# KiCad board smps_legged_robot.kicad_pcb (continued)
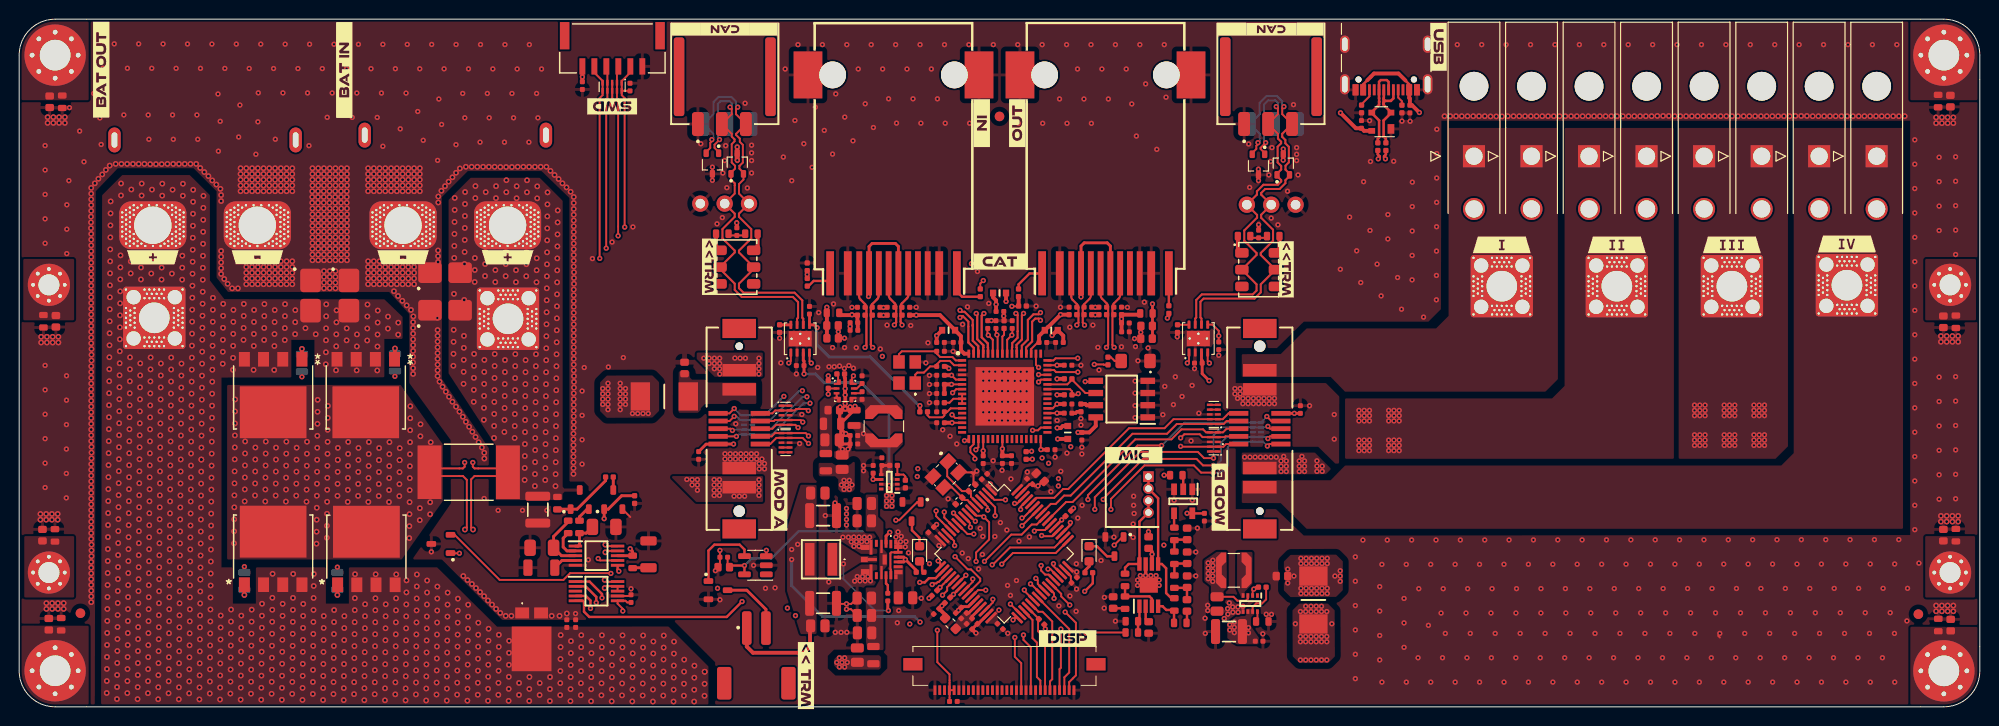
[diagram p0: board, top side]
## Routing (per net, layer and track width the routed paths; a pad name or vN(x,y) marks a point on that pad's centre or on a via; arc(x,y) is an arc through that point) (continued)
VBUS: length 95.4
  L1 (Sig, PWR) w0.25: J403.A4 144.99,64.9 144.59,65.3 144.59,65.31 ; 140.62,65.34 140.62,65.33 140.19,64.9 J403.A9
  L1 (Sig, PWR) w0.3: 141.11,60.09 D401.4 ; U801.6 v2(89.07,23.71) 89.06,23.72 89.06,24.33 ; 140.01,60.33 C403.1
  L1 (Sig, PWR) w0.4: 144.59,65.31 143.87,66.03 141.31,66.03 140.62,65.34 ; v2(146.04,61.97) 145.28,62.73 C417.1 145.05,63.42 144.99,63.48 J403.A4 ; v2(137.81,61.94) 139.42,60.33 C403.1 140.27,60.06 D401.4
  L3 (Sig, PWR) w0.3: v2(146.04,61.97) 146.03,61.96
  L3 (Sig, PWR) w0.4: v2(146.04,61.97) 145.98,61.91 115.03,61.91 v2(99.33,46.2)
  L4 (Sig, PWR) w0.3: v2(146.04,61.97) 146.06,61.95
  L4 (Sig, PWR) w0.4: v2(89.07,23.71) 96.12,30.76 96.12,37.46 97.06,38.41 97.06,43.94 v2(99.33,46.2)
/Project Architecture/Connectors - Communication/FDCAN1_N: length 46.5
  L1 (Sig, PWR) w0.2: 132.5,55.34 D1102.2 132.5,55.59 ; 132.77,60.77 131.74,61.8 131.74,62.41 v2(131.92,62.58) ; v2(129.21,58.83) 129.21,58.66 129.03,58.49 129.03,58.17 128.61,57.74 D1103.2 128.61,57.49 ; 130.54,52.35 130.59,52.35 ; 131.03,45.38 SW1101.5 131.03,45.78
  L1 (Sig, PWR) w0.213: 132.77,60.77 131.74,59.75 131.74,59.43 132.07,59.1 132.07,58.76 132.43,58.39 132.43,56.77 132.08,56.42 132.08,56.01 132.5,55.59 ; 132.5,55.34 132.07,54.91 132.07,54.6 131.47,53.99 129.96,53.99 129.54,53.57 129.54,53.41 J1110.2 129.54,51.31 129.54,50.99 130.78,49.75 130.78,48.6 129.5,47.32 129.5,47.11 SW1101.5 129.5,44.05 129.5,43.22 128.85,42.56 123.54,42.56 123.21,42.24 123.21,40.59 123.31,40.49 U1102.6
  L6 (Sig, PWR) w0.2: v2(131.92,62.58) 131.74,62.76 131.74,63.13 131.19,63.68 130.09,63.68 129.39,62.97 129.39,61.8 J1105.3 ; 128.36,61.41 J1105.3 ; J1105.3 129.39,59.75 129.38,59 v2(129.21,58.83)
/Project Architecture/Connectors - Communication/FDCAN1_P: length 45.2
  L1 (Sig, PWR) w0.2: v2(130.01,58.83) 130.01,58.81 129.49,58.29 129.49,58.17 129.91,57.74 D1103.1 129.91,57.49 ; 127.53,45.78 SW1101.2 127.53,45.41 ; v2(131.12,62.58) 131.29,62.41 131.29,61.8 130.27,60.77 ; 131.2,55.59 D1102.1 131.2,55.34
  L1 (Sig, PWR) w0.213: U1102.7 122.67,40.49 122.77,40.59 122.77,42.42 123.35,43.01 128.66,43.01 129.06,43.4 129.06,44.05 SW1101.2 129.06,47.11 129.06,47.32 127.78,48.6 127.78,49.67 129.12,51 129.12,51.29 J1110.3 129.1,53.41 129.1,53.75 129.78,54.43 131.28,54.43 131.63,54.78 131.63,54.91 131.2,55.34 ; 131.2,55.59 131.63,56.02 131.63,56.39 131.26,56.76 131.26,58.4 131.62,58.76 131.62,58.92 131.29,59.25 131.29,59.75 130.27,60.77
  L6 (Sig, PWR) w0.2: v2(130.01,58.83) 129.84,59 129.84,59.75 J1105.2 ; J1105.2 130.86,61.41 ; J1105.2 129.84,61.8 129.84,62.8 130.26,63.23 131,63.23 131.29,62.95 131.29,62.76 v2(131.12,62.58)
/Project Architecture/Connectors - Communication/FDCAN1_RX: length 28.8
  L1 (Sig, PWR) w0.2: U1102.4 123.97,36.02 v2(124.14,35.84) ; U401.61 104.45,20.86 v2(104.45,20.57)
  L3 (Sig, PWR) w0.2: v2(108.39,23.03) 111,23.03 122.36,34.39 123.28,34.39 124.14,35.25 v2(124.14,35.84)
  L4 (Sig, PWR) w0.2: v2(108.39,23.03) 107.31,23.03 106.5,22.22 106.06,22.22 104.45,20.6 v2(104.45,20.57)
/Project Architecture/Connectors - Communication/FDCAN1_S: length 1.2
  L1 (Sig, PWR) w0.2: R1102.1 122,39.83 U1102.8
/Project Architecture/Connectors - Communication/FDCAN1_TX: length 27.3
  L1 (Sig, PWR) w0.2: v2(103.83,21.21) 104.1,21.21 U401.62 ; U1102.1 122.02,36.03 v2(121.84,35.85)
  L3 (Sig, PWR) w0.2: v2(121.84,35.85) 121.84,34.8 110.83,23.79 v2(108.4,23.79)
  L4 (Sig, PWR) w0.2: v2(103.83,21.21) 103.83,21.43 106.19,23.79 v2(108.4,23.79)
/Project Architecture/Connectors - Communication/FDCAN2_N: length 44.4
  L1 (Sig, PWR) w0.2: 75.54,55.45 D1105.2 ; D1105.2 75.54,54.97 75.09,54.52 75.09,54.22 75.08,54.21 75.08,53.51 J1109.3 ; D1105.2 75.54,55.7 75.12,56.12 75.12,56.41 75.14,56.41 75.48,56.75 75.48,58.6 75.16,58.91 75.16,59.25 74.77,59.64 74.77,59.74 J1103.3 74.77,61.79 74.77,62.35 v2(74.94,62.53) ; 76.57,45.85 SW1103.5 76.6,45.65 ; 71.65,57.6 D1104.2 71.65,57.85 72.08,58.28 72.08,58.81 72.24,58.98 v2(72.24,59.14)
  L1 (Sig, PWR) w0.213: 76.6,45.65 75.08,44.12 75.08,43.65 75.55,43.18 80.88,43.18 81.68,42.38 81.68,40.57 81.78,40.47 U1101.6 ; SW1103.5 75.08,47.38 75.08,47.57 76.08,48.57 76.08,48.57 76.36,48.85 76.36,49.81 75.08,51.09 75.08,51.42 J1109.3
  L6 (Sig, PWR) w0.2: v2(74.94,62.53) 74.77,62.7 74.77,63.1 74.28,63.6 72.96,63.6 72.42,63.05 72.42,61.8 J1102.3 72.42,59.75 72.42,59.32 v2(72.24,59.14) ; 71.36,60.05 71.36,60.68
/Project Architecture/Connectors - Communication/FDCAN2_P: length 42.9
  L1 (Sig, PWR) w0.2: J1109.2 74.63,53.51 74.63,54.38 74.64,54.39 74.64,54.58 74.24,54.97 D1105.1 ; v2(73.04,59.14) 73.04,59.13 72.53,58.61 72.53,58.28 72.95,57.85 D1104.1 72.95,57.6 ; 73.11,45.85 SW1103.2 73.1,45.65 ; D1105.1 74.24,55.45 ; D1105.1 74.24,55.7 74.67,56.12 74.67,56.41 74.67,56.41 74.32,56.76 74.32,58.68 74.61,58.97 74.61,59.17 74.32,59.47 74.32,59.74 J1103.2 74.32,61.79 74.32,62.35 v2(74.14,62.53)
  L1 (Sig, PWR) w0.213: SW1103.2 74.63,47.38 74.63,47.57 73.63,48.57 73.63,48.57 73.35,48.85 73.35,49.81 74.63,51.09 74.63,51.42 J1109.2 ; U1101.7 81.14,40.47 81.24,40.57 81.24,42.19 80.69,42.74 75.36,42.74 74.63,43.47 74.63,44.12 73.1,45.65
  L6 (Sig, PWR) w0.2: 73.86,60.05 73.86,60.68 ; v2(74.14,62.53) 74.32,62.7 74.32,62.92 74.09,63.15 73.15,63.15 72.87,62.87 72.87,61.8 J1102.2 72.87,59.75 72.87,59.32 v2(73.04,59.14)
/Project Architecture/Connectors - Communication/FDCAN2_RX: length 33.3
  L1 (Sig, PWR) w0.2: v2(82.62,35.84) 82.44,36.03 U1101.4 ; v2(104.6,18.88) U401.58
  L3 (Sig, PWR) w0.2: v2(82.62,35.84) 83.02,36.23 87.18,36.23 97.53,25.88 97.53,25 103.65,18.88 v2(104.6,18.88)
/Project Architecture/Connectors - Communication/FDCAN2_S: length 1.2
  L1 (Sig, PWR) w0.3: R1101.1 79.32,39.83 U1101.8
/Project Architecture/Connectors - Communication/FDCAN2_TX: length 35.4
  L1 (Sig, PWR) w0.2: v2(80.27,35.85) 80.49,36.06 U1101.1 ; v2(104.59,19.69) 104.7,19.69 U401.59
  L3 (Sig, PWR) w0.2: v2(80.27,35.85) 81.23,36.81 87.54,36.81 98.31,26.05 98.32,26.05 98.32,25.33 103.96,19.69 v2(104.59,19.69)
  L4 (Sig, PWR) w0.2: v2(80.27,35.85) 80.42,35.7
/Project Architecture/Connectors - Communication/IRQ: length 20.1
  L1 (Sig, PWR) w0.2: v2(105.6,26.65) 105.06,26.65 R1114.1 ; IC1101.44 106.58,34.12 v2(106.32,33.87) ; v2(99.73,19.35) 99.7,19.35 U401.8
  L4 (Sig, PWR) w0.2: v2(106.32,33.87) 106.32,27.39 105.6,26.67 v2(105.6,26.65) 105.52,26.65 101.86,22.99 101.86,22.99 101.53,22.65 101.52,22.65 99.73,20.86 v2(99.73,19.35)
/Project Architecture/Connectors - Communication/LED_CAT1: length 31.3
  L1 (Sig, PWR) w0.2: v2(102.87,21.58) 101.71,21.58 U401.2
  L1 (Sig, PWR) w0.3: R1131.2 119.92,40.69 v2(119.76,40.53)
  L3 (Sig, PWR) w0.25: v2(107.37,25.39) 111.18,25.39 115.7,29.92 115.7,35.95 117.07,37.32 117.07,37.84 v2(119.76,40.53)
  L4 (Sig, PWR) w0.2: 106.97,25.39 106.98,25.39 ; 105.4,23.81 105.4,23.82
  L4 (Sig, PWR) w0.25: 106.98,25.39 v2(107.37,25.39) ; v2(102.87,21.58) 102.95,21.58 105.18,23.81 105.4,23.81 ; 105.4,23.82 106.97,25.39
/Project Architecture/Connectors - Communication/LED_CAT2: length 39.2
  L1 (Sig, PWR) w0.2: R1133.2 100.25,44.14 v2(100.56,44.45) ; v2(101.79,19.92) 101.79,20.8 100.68,21.92 U401.3
  L3 (Sig, PWR) w0.25: v2(106.7,25.95) 107.12,25.95 107.45,26.28 107.45,26.29 107.8,26.64 107.81,26.64 108.29,27.12 v2(109.68,27.12)
  L4 (Sig, PWR) w0.2: 103.55,23 103.56,23 ; 106.56,25.82 v2(106.7,25.95)
  L4 (Sig, PWR) w0.25: v2(109.68,27.12) 109.68,35.24 105.47,39.45 105.47,43.43 104.45,44.45 v2(100.56,44.45) ; 103.56,23 104.22,23.66 104.22,24.4 104.98,25.16 105.9,25.16 106.56,25.82 ; v2(101.8,19.92) 101.8,21.69 103.12,23 103.55,23
/Project Architecture/Connectors - Communication/LED_ON1: length 15.4
  L1 (Sig, PWR) w0.2: 110.43,36.34 110.42,36.34 v2(110.41,36.35) 110.4,36.34 108.1,36.34 107.88,36.12 ; R1135.2 104.22,41.76 v2(103.54,41.76) ; 107.25,36.12 107.87,36.12
  L1 (Sig, PWR) w0.4: R1135.2 104.25,42.74
  L3 (Sig, PWR) w0.2: 110.43,36.34 106.87,36.34 103.38,39.83 103.38,41.6 v2(103.54,41.76)
/Project Architecture/Connectors - Communication/LED_ON2: length 40.2
  L1 (Sig, PWR) w0.2: 110.42,34.9 v2(110.42,34.9) 108.16,34.9 107.94,35.12 IC1101.46
  L1 (Sig, PWR) w0.3: R1134.2 82.2,45.08 v2(82.2,45.08) 82.2,45.08 82.2,45.47 R1136.2
  L3 (Sig, PWR) w0.2: v2(110.42,34.9) 107.62,34.9 107.11,35.42 107.11,35.42 106.06,36.47 90.11,36.47 v2(90.03,36.55)
  L4 (Sig, PWR) w0.2: v2(90.03,36.55) 90.53,37.04 90.53,37.83 88.06,40.3 83.19,40.3 82.2,41.29 v2(82.2,45.08)
/Project Architecture/Connectors - Communication/RXA_N: length 26.5
  L1 (Sig, PWR) w0.2: IC1101.54 104.05,37.09 104.03,37.12 ; v2(114.21,37.47) 114.21,37.48 arc(114.25,37.55) 114.27,37.62 ; 104.69,40.95 v2(104.76,41.02)
  L1 (Sig, PWR) w0.216: v2(114.21,37.47) 114.09,37.59 arc(114.04,37.66) 114.03,37.73 114.03,41.7 arc(114.07,41.89) 114.18,42.06 114.69,42.57 arc(114.8,42.73) 114.84,42.92 J1107.8 ; v2(104.76,41.02) 104.58,40.84 104.58,38.3 104.02,37.74 104.02,37.48 104.05,37.46 IC1101.54
  L3 (Sig, PWR) w0.2: v2(104.76,41.02) 104.67,40.93 ; 114.12,37.56 v2(114.21,37.47)
  L3 (Sig, PWR) w0.204: v2(104.76,41.02) 104.67,40.93 104.67,40.72 arc(104.7,40.53) 104.81,40.37 107.43,37.75 arc(107.59,37.64) 107.78,37.61 110.44,37.61 arc(110.63,37.64) 110.79,37.75 112.1,39.06 arc(112.26,39.17) 112.45,39.21 113.13,39.21 arc(113.33,39.17) 113.49,39.06 113.97,38.58 arc(114.07,38.42) 114.11,38.23 114.11,37.57 v2(114.21,37.47)
/Project Architecture/Connectors - Communication/RXA_P: length 26.5
  L1 (Sig, PWR) w0.2: v2(113.41,37.47) 113.39,37.49 arc(113.35,37.56) 113.33,37.63 ; IC1101.55 103.55,37.09 103.58,37.12 ; 104.08,40.9 v2(103.96,41.02)
  L1 (Sig, PWR) w0.216: IC1101.55 103.55,37.46 103.58,37.48 103.58,37.92 104.14,38.48 104.14,39.14 104.14,39.15 104.14,40.84 v2(103.96,41.02) ; v2(113.41,37.47) 113.52,37.59 arc(113.57,37.66) 113.58,37.73 113.58,41.71 arc(113.54,41.9) 113.43,42.07 112.94,42.56 arc(112.83,42.72) 112.8,42.91 J1107.6
  L3 (Sig, PWR) w0.2: v2(103.96,41.02) 104.05,40.93 ; 113.49,37.56 v2(113.41,37.47)
  L3 (Sig, PWR) w0.204: v2(113.41,37.47) 113.5,37.57 113.5,37.97 arc(113.46,38.17) 113.35,38.33 113.23,38.45 arc(113.07,38.56) 112.88,38.59 112.7,38.59 arc(112.51,38.56) 112.35,38.45 111.04,37.14 arc(110.88,37.03) 110.69,36.99 107.53,36.99 arc(107.34,37.03) 107.18,37.14 104.2,40.12 arc(104.09,40.28) 104.05,40.47 104.05,40.93 v2(103.96,41.02)
/Project Architecture/Connectors - Communication/RXB_N: length 24
  L1 (Sig, PWR) w0.2: IC1101.61 100.55,37.09 100.58,37.12 ; 99.94,40.9 v2(99.82,41.01)
  L1 (Sig, PWR) w0.235: 92.75,45.2 92.75,42.95 arc(92.71,42.76) 92.6,42.6 92.08,42.08 arc(91.97,41.92) 91.93,41.73 91.93,40.17 arc(91.97,39.98) v2(92.09,39.81) ; v2(99.82,41.01) 99.93,40.91 99.93,38.34 100.57,37.7 100.57,37.48 100.55,37.46 IC1101.61
  L3 (Sig, PWR) w0.2: 91.99,39.91 v2(92.09,39.81) ; v2(99.82,41.01) 99.91,41.1
  L3 (Sig, PWR) w0.204: v2(92.09,39.81) 91.99,39.91 91.99,41.53 arc(92.02,41.72) 92.13,41.88 92.56,42.31 arc(92.72,42.42) 92.91,42.45 95.07,42.45 arc(95.28,42.37) 95.37,42.15 95.37,41.99 arc(95.46,41.78) 95.67,41.69 arc(95.88,41.78) 95.97,41.99 95.97,42.15 arc(96.06,42.37) 96.27,42.45 arc(96.48,42.37) 96.57,42.15 96.57,41.99 arc(96.66,41.78) 96.87,41.69 arc(97.08,41.78) 97.17,41.99 97.17,42.15 arc(97.26,42.37) 97.47,42.45 98.81,42.45 arc(99,42.42) 99.16,42.31 99.77,41.7 arc(99.88,41.54) 99.92,41.35 99.92,41.11 v2(99.82,41.01)
/Project Architecture/Connectors - Communication/RXB_P: length 24.1
  L1 (Sig, PWR) w0.2: IC1101.60 101.05,37.09 101.03,37.12 ; 100.51,40.9 v2(100.62,41.01)
  L1 (Sig, PWR) w0.235: v2(100.62,41.01) 100.39,40.78 100.39,38.53 101.03,37.89 101.03,37.48 101.05,37.46 IC1101.60 ; v2(91.28,39.82) 91.4,39.94 arc(91.45,40.01) 91.47,40.1 91.47,41.72 arc(91.43,41.91) 91.32,42.07 90.85,42.54 arc(90.75,42.7) 90.71,42.89 90.71,45.2
  L3 (Sig, PWR) w0.2: v2(100.62,41.01) 100.54,41.1 ; 91.36,39.9 v2(91.28,39.82)
  L3 (Sig, PWR) w0.204: v2(100.62,41.01) 100.53,41.11 100.53,41.6 arc(100.49,41.79) 100.38,41.96 99.42,42.92 arc(99.26,43.03) 99.06,43.07 92.66,43.07 arc(92.47,43.03) 92.31,42.92 91.52,42.13 arc(91.41,41.97) 91.37,41.78 91.37,39.91 v2(91.28,39.82)
/Project Architecture/Connectors - Communication/SPI3_MISO: length 18.7
  L1 (Sig, PWR) w0.2: 108,18.74 U401.53 108.73,19.48 108.73,19.48 108.74,19.48 v2(108.74,19.49) 108.74,19.49 109.05,19.8 ; v2(97.3,30.45) 97.63,30.12 IC1101.13
  L3 (Sig, PWR) w0.2: v2(97.3,30.45) 97.73,30.45 108.7,19.48 108.73,19.48
/Project Architecture/Connectors - Communication/SPI3_MOSI: length 15.8
  L1 (Sig, PWR) w0.2: v2(105.89,18.33) 106,18.44 106.98,18.44 U401.54
  L1 (Sig, PWR) w0.25: v2(98.6,27.75) 98.89,27.75 99.05,27.92 99.05,27.8
  L3 (Sig, PWR) w0.2: v2(98.6,27.75) 98.96,27.4 98.96,25.78 99.55,25.19 100.14,25.19 103.3,22.03 103.81,22.03 105.87,19.98 105.87,18.34 v2(105.89,18.33)
/Project Architecture/Connectors - Communication/SPI3_NSS: length 20.7
  L1 (Sig, PWR) w0.2: IC1101.50 106.05,35.66 v2(106.32,35.39)
  L1 (Sig, PWR) w0.25: U401.51 109.64,18.97 v2(109.64,19.21)
  L4 (Sig, PWR) w0.2: v2(106.32,35.39) 106.39,35.39 106.92,34.86 106.92,28 109.3,25.62 109.3,20.14 109.64,19.8 v2(109.64,19.21)
/Project Architecture/Connectors - Communication/SPI3_SCK: length 15.4
  L1 (Sig, PWR) w0.2: 106.72,17.79 107.75,17.79 U401.52 ; IC1101.19 100.05,27.07 v2(99.79,26.8)
  L1 (Sig, PWR) w0.25: v2(106.65,17.86) 106.72,17.79
  L3 (Sig, PWR) w0.2: v2(99.79,26.8) 99.79,26.58 103.57,22.8 104.2,22.8 106.65,20.35 v2(106.65,17.86)
/Project Architecture/Connectors - Communication/SYNC0: length 15.9
  L1 (Sig, PWR) w0.2: U401.9 98.55,19.79 99.15,19.19 99.15,18.79 v2(99.22,18.72) ; IC1101.34 106.56,29.12 106.27,28.83 v2(105.7,28.83)
  L4 (Sig, PWR) w0.2: v2(99.22,18.72) 99.15,18.79 99.15,22.12 105.7,28.67 v2(105.7,28.83)
/Project Architecture/Connectors - Communication/SYNC1: length 10
  L1 (Sig, PWR) w0.2: v2(99.69,25.86) 99.69,26.09 99.21,26.56 99.21,27.04 99.55,27.38 IC1101.18
  L1 (Sig, PWR) w0.25: v2(97.45,20.21) 97.45,20.19 U401.10
  L4 (Sig, PWR) w0.25: v2(99.69,25.86) 97.49,23.67 97.49,20.24 v2(97.45,20.21)
/Project Architecture/Connectors - Communication/TXA_N: length 17.7
  L1 (Sig, PWR) w0.2: 106.44,40.39 v2(106.52,40.3) ; IC1101.52 105.05,37.09 105.03,37.12
  L1 (Sig, PWR) w0.216: J1107.5 111.78,42.88 arc(111.74,42.69) 111.63,42.53 111.08,41.98 arc(110.97,41.82) 110.93,41.63 110.93,40.06 arc(110.95,39.99) 110.99,39.92 v2(111.12,39.8) ; v2(106.52,40.3) 106.35,40.48 105.98,40.48 105.65,40.16 105.65,38.1 105.02,37.47 105.02,37.13 105.05,37.11 IC1101.52 105.02,36.85 105.02,37.12 105.03,37.12
  L3 (Sig, PWR) w0.2: 111.03,39.72 v2(111.12,39.8) ; v2(106.52,40.3) 106.61,40.39
  L3 (Sig, PWR) w0.204: 106.62,40.4 106.64,40.4 ; 106.62,40.4 v2(106.52,40.3) ; 106.62,40.4 106.69,40.4 arc(106.88,40.36) 107.05,40.25 108.78,38.52 arc(108.94,38.41) 109.13,38.37 109.92,38.37 arc(110.11,38.41) 110.27,38.52 110.88,39.13 arc(110.99,39.29) 111.03,39.48 111.03,39.71 v2(111.12,39.8)
/Project Architecture/Connectors - Communication/TXA_P: length 18.3
  L1 (Sig, PWR) w0.2: 106.44,41.02 v2(106.52,41.1) ; 104.58,37.12 104.55,37.09 IC1101.53
  L1 (Sig, PWR) w0.216: v2(110.31,39.81) 110.43,39.92 arc(110.47,39.99) 110.49,40.06 110.49,41.62 arc(110.45,41.81) 110.34,41.97 109.88,42.43 arc(109.77,42.59) 109.74,42.78 J1107.3 ; 104.58,37.12 104.58,37.12 104.58,36.85 IC1101.53 104.55,37.11 104.58,37.13 104.58,37.66 105.21,38.29 105.21,40.34 105.79,40.93 106.35,40.93 v2(106.52,41.1)
  L3 (Sig, PWR) w0.2: v2(106.52,41.1) 106.61,41.02 ; 110.41,39.72 v2(110.31,39.81)
  L3 (Sig, PWR) w0.204: v2(110.31,39.81) 110.41,39.71 110.41,39.65 arc(110.39,39.54) 110.33,39.44 110.02,39.13 arc(109.86,39.02) 109.67,38.99 109.38,38.99 arc(109.19,39.02) 109.03,39.13 108.86,39.3 arc(108.77,39.52) 108.86,39.73 108.93,39.79 arc(109.01,40.01) 108.93,40.22 arc(108.71,40.31) 108.5,40.22 108.44,40.15 arc(108.22,40.06) 108.01,40.15 107.3,40.86 arc(107.14,40.97) 106.95,41.01 106.62,41.01 v2(106.52,41.1)
/Project Architecture/Connectors - Communication/TXB_N: length 26
  L1 (Sig, PWR) w0.2: 99.58,37.12 99.55,37.09 IC1101.63 ; 89.06,37.5 v2(89.03,37.47)
  L1 (Sig, PWR) w0.216: v2(98.13,40.59) 98.28,40.75 98.42,40.75 99,40.16 99,39.65
  L1 (Sig, PWR) w0.235: v2(89.03,37.47) 88.9,37.59 arc(88.85,37.67) 88.83,37.76 88.83,41.64 arc(88.87,41.83) 88.98,41.99 89.49,42.51 arc(89.6,42.67) 89.64,42.86 89.64,45.2 ; IC1101.63 99.55,37.11 99.57,37.12 99.57,37.42 99,37.99 99,39.65
  L3 (Sig, PWR) w0.2: v2(89.03,37.47) 88.93,37.56
  L3 (Sig, PWR) w0.204: v2(89.03,37.47) 88.93,37.56 88.93,37.63 arc(88.95,37.7) 88.99,37.77 89.12,37.9 arc(89.28,38) 89.47,38.04 91.25,38.04 arc(91.41,37.98) 91.47,37.82 arc(91.54,37.66) 91.7,37.59 91.85,37.59 arc(92.01,37.66) 92.07,37.82 arc(92.14,37.98) 92.3,38.04 92.83,38.04 arc(93.02,38.08) 93.18,38.19 95.51,40.52 arc(95.67,40.63) 95.86,40.66 96.1,40.66 arc(96.31,40.58) 96.4,40.36 96.4,39.96 arc(96.49,39.75) 96.7,39.66 arc(96.91,39.75) 97,39.96 97,40.36 arc(97.09,40.58) 97.3,40.66 98.06,40.66 v2(98.13,40.59)
/Project Architecture/Connectors - Communication/TXB_P: length 25.9
  L1 (Sig, PWR) w0.2: IC1101.62 100.05,37.09 100.03,37.12 ; 88.2,37.5 v2(88.23,37.47)
  L1 (Sig, PWR) w0.216: 99.47,39.84 99.47,39.73 99.46,39.72 99.46,40.34 98.6,41.19 98.28,41.19 v2(98.13,41.34)
  L1 (Sig, PWR) w0.235: v2(88.23,37.47) 88.32,37.56 arc(88.36,37.62) 88.37,37.68 88.37,41.64 arc(88.33,41.83) 88.22,41.99 87.75,42.47 arc(87.64,42.63) 87.6,42.82 87.6,45.2 ; 99.47,39.84 99.47,38.18 100.03,37.62 100.03,37.12 100.05,37.11 IC1101.62
  L3 (Sig, PWR) w0.2: 88.31,37.56 v2(88.23,37.47)
  L3 (Sig, PWR) w0.204: v2(88.23,37.47) 88.26,37.5 arc(88.3,37.57) 88.32,37.65 88.32,37.88 arc(88.33,37.96) 88.38,38.02 88.86,38.51 arc(89.02,38.62) 89.22,38.66 92.57,38.66 arc(92.77,38.69) 92.93,38.8 95.26,41.13 arc(95.42,41.24) 95.61,41.28 98.06,41.28 v2(98.13,41.34)
/Project Architecture/Connectors - Rail Out 1/RAIL3:
  vias: v2(71.41,36.35) v2(71.96,36.35) v2(71.96,35.8) v2(72.51,36.35) v2(72.51,35.8) v2(72.51,35.25) v2(73.06,36.35) v2(73.06,35.8) v2(73.06,35.25) v2(73.07,34.7) v2(74.65,36.36) v2(75.2,36.35) v2(75.75,36.35) v2(77.16,36.35) v2(77.16,35.8) v2(77.15,35.25) v2(77.15,34.7) v2(139.74,30.91) v2(139.74,30.36) v2(139.74,29.81) v2(139.74,27.81) v2(139.74,27.26) v2(139.74,26.71) v2(140.29,30.91) v2(140.29,30.36) v2(140.29,29.81) v2(140.29,27.81) v2(140.29,27.26) v2(140.29,26.71) v2(140.84,30.91) v2(140.84,30.36) v2(140.84,29.81) v2(140.84,27.81) v2(140.84,27.26) v2(140.84,26.71) v2(142.84,30.91) v2(142.84,30.36) v2(142.84,29.81) v2(142.84,27.81) v2(142.84,27.26) v2(142.84,26.71) v2(143.39,30.91) v2(143.39,30.36) v2(143.39,29.81) v2(143.39,27.81) v2(143.39,27.26) v2(143.39,26.71) v2(143.94,30.91) v2(143.94,30.36) v2(143.94,29.81) v2(143.94,27.81) v2(143.94,27.26) v2(143.94,26.71)
/Project Architecture/Connectors - Rail Out 1/RAIL4:
  vias: v2(69.64,23.71) v2(70.19,23.69) v2(70.19,23.14) v2(70.74,23.69) v2(70.74,23.14) v2(70.74,22.58) v2(72.49,23.69) v2(72.49,23.14) v2(72.49,22.58) v2(72.49,22.03) v2(73.04,23.69) v2(73.04,23.14) v2(73.04,22.58) v2(73.04,22.03) v2(74.56,21.96) v2(75.12,21.96) v2(75.66,21.96) v2(77.16,23.69) v2(77.16,23.14) v2(77.16,22.58) v2(77.16,22.03) v2(174.74,31.46) v2(174.74,30.91) v2(174.74,30.36) v2(174.74,28.36) v2(174.74,27.81) v2(174.74,27.26) v2(175.29,31.46) v2(175.29,30.91) v2(175.29,30.36) v2(175.29,28.36) v2(175.29,27.81) v2(175.29,27.26) v2(175.84,31.46) v2(175.84,30.91) v2(175.84,30.36) v2(175.84,28.36) v2(175.84,27.81) v2(175.84,27.26) v2(177.84,31.46) v2(177.84,30.91) v2(177.84,30.36) v2(177.84,28.36) v2(177.84,27.81) v2(177.84,27.26) v2(178.39,31.46) v2(178.39,30.91) v2(178.39,30.36) v2(178.39,28.36) v2(178.39,27.81) v2(178.39,27.26) v2(178.94,31.46) v2(178.94,30.91) v2(178.94,30.36) v2(178.94,28.36) v2(178.94,27.81) v2(178.94,27.26) v2(180.94,31.46) v2(180.94,30.91) v2(180.94,30.36) v2(180.94,28.36) v2(180.94,27.81) v2(180.94,27.26) v2(181.49,31.46) v2(181.49,30.91) v2(181.49,30.36) v2(181.49,28.36) v2(181.49,27.81) v2(181.49,27.26) v2(182.04,31.46) v2(182.04,30.91) v2(182.04,30.36) v2(182.04,28.36) v2(182.04,27.81) v2(182.04,27.26)
/Project Architecture/Interface - Display/APWM: length 32.9
  L1 (Sig, PWR) w0.2: J1702.10 105.52,6.22 104.75,6.98 v2(104.75,7.49) ; R1701.1 v2(119.42,24.15)
  L4 (Sig, PWR) w0.2: v2(119.42,24.15) 119.42,19.01 112.38,11.97 112.38,9.88 109.47,6.96 105.28,6.96 v2(104.75,7.49)
/Project Architecture/Interface - Display/INT: length 11.3
  L1 (Sig, PWR) w0.2: J1702.3 109.02,3.08 109.52,3.58 109.52,8.11 106.22,11.41 U401.39
/Project Architecture/Interface - Display/NRST: length 119.7
  L1 (Sig, PWR) w0.2: J1702.2 109.52,2.58 110.22,3.28 110.22,8.76 v2(109.1,9.88) ; D402.10 62.85,63.77 63.15,63.48 63.15,50.03 v2(63.16,50.02) ; D402.10 D402.1 62.85,65.25 63.74,66.15 J402.2 ; D402.10 63.71,64.23 C405.1 ; v2(99.81,15.16) 99.81,16.09 101.17,17.45 101.17,19.24 v2(100.61,19.8) 100.49,19.92 99.84,19.92 U401.7
  L4 (Sig, PWR) w0.2: v2(63.16,50.02) 63.16,41.43 68.62,35.97 68.62,22.41 72.81,18.22 74.89,18.22 84.18,8.94 90.3,8.94 91.2,8.03 95,8.03 98.05,11.08 98.05,13.92 98.76,14.63 99.28,14.63 v2(99.81,15.16) ; v2(109.1,9.88) 109.09,9.87 108.25,9.87 107.23,10.89 107.23,13.16 100.61,19.78 v2(100.61,19.8)
/Project Architecture/Interface - Display/nSHDN: length 18.1
  L1 (Sig, PWR) w0.2: J1702.12 104.52,4.55 103.85,5.22 v2(103.85,7.23) ; 115.41,7.75 111.33,7.75 v2(111.27,7.69)
  L3 (Sig, PWR) w0.2: v2(111.27,7.69) 111.11,7.53 106.09,7.53 105.51,8.11 104.56,8.11 103.85,7.4 v2(103.85,7.23)
/Project Architecture/Interface - Display/SPI2_MISO: length 9.5
  L1 (Sig, PWR) w0.2: 106.5,9.04 106.5,9.05 ; J1702.7 107,1.75 107,7.15 106.27,7.88 106.27,9.06 R406.1 106.36,9.16 U401.36
/Project Architecture/Interface - Display/SPI2_MOSI: length 10.2
  L1 (Sig, PWR) w0.2: J1702.6 107.52,2.64 107.75,2.88 107.75,8.9 106.74,9.91 106.32,9.91 U401.37
/Project Architecture/Interface - Display/SPI2_NSS: length 14.3
  L1 (Sig, PWR) w0.2: J1702.4 108.52,3.94 108.65,4.07 v2(108.65,8.1) ; v2(103.39,10.71) 103.88,10.22 103.89,10.22 U401.34
  L3 (Sig, PWR) w0.2: v2(103.39,10.71) 106.05,10.71 108.65,8.11 v2(108.65,8.1)
/Project Architecture/Interface - Display/SPI2_SCK: length 9
  L1 (Sig, PWR) w0.2: U401.35 104.81,9.93 105.38,9.36 105.39,9.36 105.69,9.06 105.69,7.16 106.15,6.7 106.15,3.1 106.52,2.73 J1702.8
/Project Architecture/Interface - FAN /FAN: length 28.3
  L1 (Sig, PWR) w0.2: v2(97.62,15.66) 98.94,14.33 99.27,14.33 100.24,13.36 100.24,13.11 U401.25
  L1 (Sig, PWR) w0.25: U1801.3 77.93,16.32 v2(77.93,16.32)
  L3 (Sig, PWR) w0.2: 77.93,16.3 79.85,14.38 81.49,14.38 82.58,15.48 91,15.48 91.7,14.78 94.8,14.78 v2(94.95,14.92)
  L4 (Sig, PWR) w0.2: 77.93,16.3 v2(77.93,16.32) ; v2(97.62,15.66) 97.49,15.78 95.36,15.78 94.95,15.37 v2(94.95,14.92)
/Project Architecture/MCU - Unit/CC1: length 1.8
  L1 (Sig, PWR) w0.2: J403.A5 143.84,63.53 144.22,63.14 R402.2
/Project Architecture/MCU - Unit/CC2: length 1.9
  L1 (Sig, PWR) w0.2: J403.B5 140.84,63.66 140.01,62.83 R403.1
/Project Architecture/MCU - Unit/CLOCK_IN: length 6
  L1 (Sig, PWR) w0.2: U401.5 99.27,21.9 99.27,22.26 C401.1 98.34,22.49 96.79,24.04 96.79,25.5
/Project Architecture/MCU - Unit/CLOCK_OUT: length 4.1
  L1 (Sig, PWR) w0.2: 98.91,21.56 U401.6 ; 98.91,21.56 98.61,21.56 C402.1 97.28,22.89 Y401.3 ; 98.91,21.56 98.91,21.56 ; 98.24,21.9 98.24,21.83
/Project Architecture/MCU - Unit/I2C2_SCL: length 32.3
  L1 (Sig, PWR) w0.2: U401.43 108.69,11.78 108.69,11.52 v2(109.58,10.62) ; J1301.S1 125.88,27.4 125.6,27.12 D903.9 121.18,27.12 v2(121.14,27.16)
  L4 (Sig, PWR) w0.2: v2(109.58,10.62) 110.58,10.62 111.8,11.84 111.8,12.36 115.6,16.16 115.6,23.71 117.84,25.95 119.93,25.95 v2(121.14,27.16)